# Allegro board 1155000-zp-dic_pda_8ch_board_v002.brd (continued)
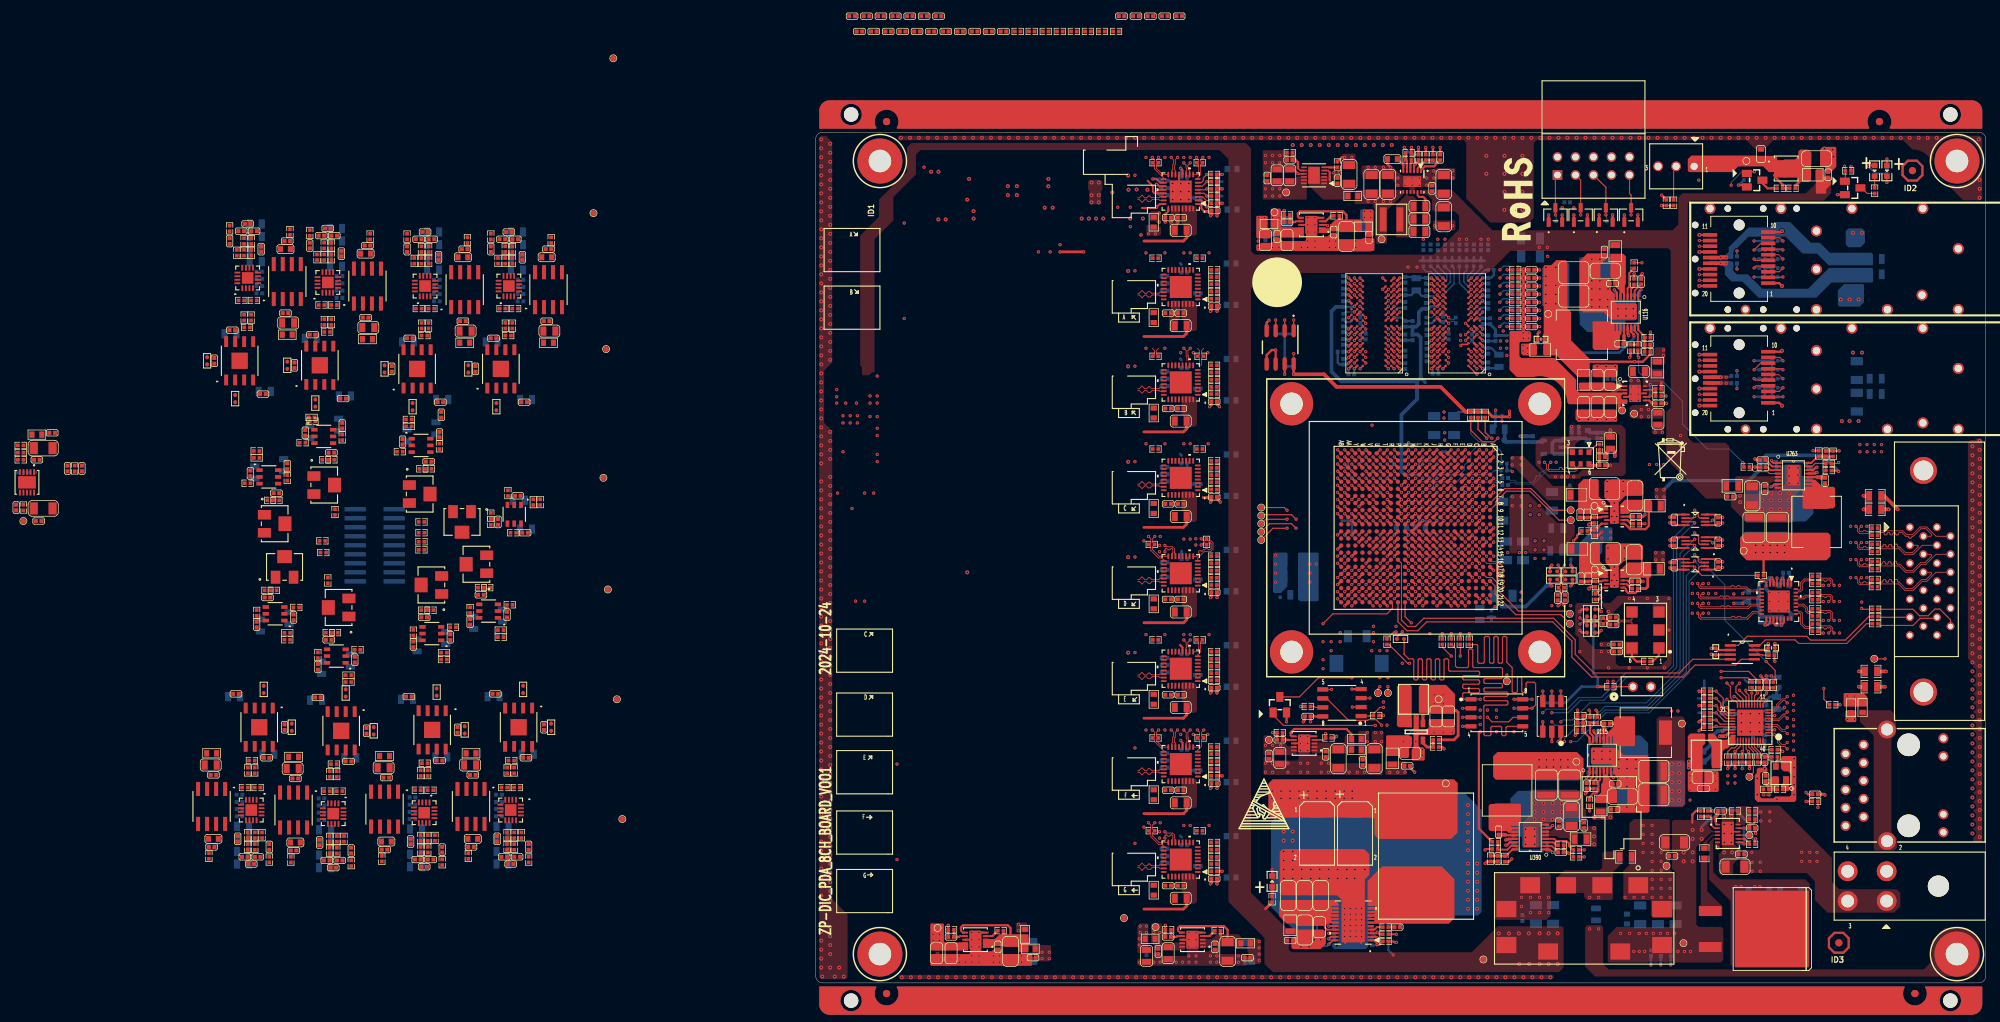
[diagram p0: board, top side]
## Library data of the parts (continued)
R276 R337-R342 R1928 R2154-R2156 R2204-R2209 R2211 R2212 R2229-R2240 R2242 R2244 R2245 R2247 R3016 R3018 R3020 R3022 R3037 R3039 R3041 R3043 R3058 R3060 R3062 R3064 R3079 R3081 R3083 R3085 R3100 R3102 R3104 R3106 R3121 R3123 R3125 R3127 R3142 R3144 R3146 R3148 R3163 R3165 R3167 R3169 R3180 R3216 R3218-R3220 R3223 R3224 R3227 R3228 R3231 R3232 R3235 R3236 R3239 R3240 R3243 R3244 = 1_00K_0
R395 R396 R834 R835 = 261_0
R458 R490 = 100_C402_0
R460-R478 R481 R482 R488 R2140-R2143 = 80_6_0
R479 R480 R483 R484 = 80_6_0: signal model: SR0402-BGA_0
R502 R503 R505 R507 R509 R511 R2213-R2228 R3205 = 15_1: signal model: 15_1_R0402
R517 = 4_7K_0: signal model: SR0603_49.9
R844 R848 R853-R855 R858 R1059 R1060 R1064 R1067 R1070 R1075 R1077 R1078 R1080 R1101 R1115 R1116 R1884 R1886 R2047 R2048 R2184-R2187 R2196-R2199 R2670 R2676 R2684 R2691 R2697 R2705 R2712 R2718 R2726 R2733 R2739 R2747 R2754 R2760 R2768 R2775 R2781 R2789 R2796 R2802 R2810 R2817 R2823 R2831 R2838 R3011 R3014 R3021 R3026 R3035 R3042 R3047 R3056 R3063 R3068 R3077 R3084 R3089 R3098 R3105 R3110 R3119 R3126 R3131 R3140 R3147 R3152 R3161 R3168 R3173 R3189 R3193 R3201 R3207-R3214 = 0_0: signal model: 0_0_R0402_0_0
R984 R1061 R1066 R1069 R1071 R1079 R1197 R1929 R2084-R2087 R2122-R2126 R2253 R2666 R2688 R2709 R2730 R2751 R2772 R2793 R2814 R2835 R3015 R3017 R3019 R3036 R3038 R3040 R3057 R3059 R3061 R3078 R3080 R3082 R3099 R3101 R3103 R3120 R3122 R3124 R3141 R3143 R3145 R3162 R3164 R3166 R3192 R3196 R3198 R3200 R3288 R3289 R3294 R3297 R3298 R3305 R3309 R3313 = 0_0
R2127 R2210 R3012 R3013 R3033 R3034 R3054 R3055 R3075 R3076 R3096 R3097 R3117 R3118 R3138 R3139 R3159 R3160 R3256-R3287 = 100_0
R2517 R3290 R3292 R3295 R3299 R3302 R3306 R3310 = TC42X-2-103E
R2679 R2681 R2690 R2700 R2704 R2711 R2721 R2725 R2732 R2741 R2746 R2753 R2764 R2766 R2774 R2783 R2788 R2795 R2805 R2808 R2816 R2827 R2830 R2837 = 0_0: signal model: 0_0_R0402_33_33
TP20 TP37-TP41 TP43-TP45 TP47-TP49 TP52 TP58 TP62 TP64 TP68 TP69 TP83 TP102-TP105 TP112 TP116 TP133-TP136 TP138 TP146-TP154 TP158 TP159 TP163-TP166 = TEST-POINT_1
U1 = xc7k70tfbg484
U23 = TPS51200DRCT_0
U49 U286 U287 = SN74LVC2T45DCUR
U75 U76 = MT41K512M16TNA-125_2
U79 = TMP75BIDR_1
U93 = RTL8211F_2
U94 = NZ2520SB_2
U102 = W25Q16DVUUIG_4
U103 = SIT5021AI-2DE-33E-100_0.000000X
U111 = QPI-12LZ
U112 = LT4356-1_1
U113 = TPS53353DQPR_5
U115 U116 U263 U390 = LT8610EMSE_3
U118 U119 = TPS7A9201DSKR_3
U124 = TLV62565DBVR_1
U127 U129 U133 U341 U391 = LT3045EDDPBF
U134 = HEAT_SINK_5
U154 = TXS0102DCUR_1
U236 = TPS63710DRRR_2
U270 = SiT9102AI-23FN33E200.00000Y
U271 = DS90LV804TSQNOPB_0
U272 = R1112NXX1B_0
U273 = AT25M01-SHM-B_1
U275-U278 U280-U283 = ADR4520BRZ
U342 U346 U350 U353 U354 U357 U361 U363 = LTC6268IS6-10_0
U343 U347 U348 U351 U356 U358 U362 U365 = ADA4625-1ARDZ
U344 U345 U349 U352 U355 U359 U360 U364 = ADA4945-1
U366 U369 U372 U375 U378 U381 U384 U387 = AD7960BCPZ
U392 = LT3094EDDPBF

## Footprints (pads in the part's own frame, mm; a bottom-side part is the same pattern mirrored in y, then rotated)
25AA512T
  rect 0.61x1.549 smd: 1(-1.861,-2.7) 2(-0.591,-2.7) 3(0.679,-2.7) 4(1.949,-2.7) 5(1.905,2.7) 6(0.635,2.7) 7(-0.635,2.7) 8(-1.905,2.7)
44WR10KLFT7
  rect 1.346x1.829 smd: 1(-1.27,-1.45) 3(1.27,-1.45)
  rect 2.057x1.829 smd: 2(0,1.45)
10226-55G3PC
  round 3.81 hole 2.794: (-15.63,-1.216) (15.63,-1.216)
  round 1.118 hole 0.711: 1(-7.62,-3.126) 2(-6.35,-1.216) 3(-5.08,-3.126) 4(-3.81,-1.216) 5(-2.54,-3.126) 6(-1.27,-1.216) 7(0,-3.126) 8(1.27,-1.216) 9(2.54,-3.126) 10(3.81,-1.216) 11(5.08,-3.126) 12(6.35,-1.216) 13(7.62,-3.126) 14(-7.62,0.694) 15(-6.35,2.605) 16(-5.08,0.694) 17(-3.81,2.605) 18(-2.54,0.694) 19(-1.27,2.605) 20(0,0.694) 21(1.27,2.605) 22(2.54,0.694) 23(3.81,2.605) 24(5.08,0.694) 25(6.35,2.605) 26(7.62,0.694)
0022112032
  rect 1.372x1.372 hole 1.016: 1(-2.54,0)
  round 1.372 hole 1.016: 2(0,0) 3(2.54,0)
0039301040
  round 2.997 hole 2.997 unplated: (0,-3.8)
  round 2.794 hole 1.803: 1(-2.1,3.5) 2(2.1,3.5) 3(-2.1,9) 4(2.1,9)
0744410010_0747370010
  round 0.94 hole 0.94 unplated: (22.799,8.58) (22.799,-5.669) (27.501,8.58) (27.501,-5.669) (32.499,8.58) (32.499,-5.669) (37.099,6.251) (37.099,1.45) (37.099,-3.35)
  round 1.549 hole 1.549 unplated: (30.899,6.251) (30.899,-3.35)
  rect 2.007x0.508 smd: 1(26.8,4.849) 2(26.8,4.049) 3(26.8,3.249) 4(26.8,2.449) 5(26.8,1.649) 6(26.8,0.849) 7(26.8,0.049) 8(26.8,-0.751) 9(26.8,-1.551) 10(26.8,-2.351) 11(35.001,-1.95) 12(35.001,-1.15) 13(35.001,-0.35) 14(35.001,0.45) 15(35.001,1.25) 16(35.001,2.05) 17(35.001,2.85) 18(35.001,3.65) 19(35.001,4.45) 20(35.001,5.25)
  round 1.346 hole 0.838: 21(30,8.58)
  round 1.549 hole 1.041: 22(20,8.58) 23(10,8.58) 24(0,8.58) 25(0,0) 26(5.001,-5.669) 27(15.001,-5.669) 28(25.001,-5.669) 29(35.001,-5.669) 30(20,-2.499) 31(20,2.901) 32(4.99,7.688)
0744410010_0747370010#2
  round 0.94 hole 0.94 unplated: (22.799,8.58) (22.799,-5.669) (27.501,8.58) (27.501,-5.669) (32.499,8.58) (32.499,-5.669) (37.099,6.251) (37.099,1.45) (37.099,-3.35)
  round 1.549 hole 1.549 unplated: (30.899,6.251) (30.899,-3.35)
  rect 2.007x0.508 smd: 1(26.8,4.849) 2(26.8,4.049) 3(26.8,3.249) 4(26.8,2.449) 5(26.8,1.649) 6(26.8,0.849) 7(26.8,0.049) 8(26.8,-0.751) 9(26.8,-1.551) 10(26.8,-2.351) 11(35.001,-1.95) 12(35.001,-1.15) 13(35.001,-0.35) 14(35.001,0.45) 15(35.001,1.25) 16(35.001,2.05) 17(35.001,2.85) 18(35.001,3.65) 19(35.001,4.45) 20(35.001,5.25)
  round 1.346 hole 0.838: 21(30,8.58)
  round 1.549 hole 1.041: 22(20,8.58) 23(10,8.58) 24(0,8.58) 25(0,0) 26(5.001,-5.669) 27(15.001,-5.669) 28(25.001,-5.669) 29(35.001,-5.669) 30(20,-2.499) 31(20,2.901) 32(5.117,6.537)
ADA4625-1ARDZ
  rect 1.506x0.551 smd: 1(-2.703,1.905) 2(-2.703,0.635) 3(-2.703,-0.635) 4(-2.703,-1.905) 5(2.703,-1.905) 6(2.703,-0.635) 7(2.703,0.635) 8(2.703,1.905)
  rect 2.29x2.29 smd: 9(0,0)
ADA4945-1ACPZ
  rect 0.813x0.254 smd: 1(-1.448,0.75) 2(-1.448,0.25) 3(-1.448,-0.25) 4(-1.448,-0.75) 9(1.448,-0.75) 10(1.448,-0.25) 11(1.448,0.25) 12(1.448,0.75)
  rect 0.254x0.813 smd: 5(-0.75,-1.448) 6(-0.25,-1.448) 7(0.25,-1.448) 8(0.75,-1.448) 13(0.75,1.448) 14(0.25,1.448) 15(-0.25,1.448) 16(-0.75,1.448)
  rect 1.626x1.626 smd: 17(0,0)
ADP150AUJZ
  rect 0.953x0.508 smd: 1(-1.276,0.95) 2(-1.276,0) 3(-1.276,-0.95) 4(1.276,-0.95) 5(1.276,0.95)
ADR4525BRZ
  rect 1.981x0.559 smd: 1(-2.464,1.905) 2(-2.464,0.635) 3(-2.464,-0.635) 4(-2.464,-1.905) 5(2.464,-1.905) 6(2.464,-0.635) 7(2.464,0.635) 8(2.464,1.905)
ATS-08D-51-C2-R0
  round 6.096 hole 3.175: 1(-17.5,17.5) 2(17.5,17.5) 3(17.5,-17.5) 4(-17.5,-17.5)
C0402
  rect 0.559x0.559 smd: 1(-0.4,0) 2(0.4,0)
C0402_BGA
  custom 0.559x0.508 smd: 1(-0.47,0) 2(0.47,0)
C0603
  rect 0.711x0.838 smd: 1(-0.7,0) 2(0.7,0)
C0805
  rect 0.838x1.295 smd: 1(-0.85,0) 2(0.85,0)
C1206
  rect 1.143x1.702 smd: 1(-1.325,0) 2(1.325,0)
C1210
  rect 0.94x2.591 smd: 1(-1.4,0) 2(1.4,0)
C2917X
  rect 2.388x1.93 smd: 1(0,-3.193) 2(0,3.193)
CON_2
  round 1.397 hole 0.889: 1(-1.27,0) 2(1.27,0)
CP_32_7_ADI
  oval 0.813x0.254 smd: 1(-2.4,1.75) 8(-2.4,-1.75) 17(2.4,-1.75) 24(2.4,1.75)
  rect 0.813x0.254 smd: 2(-2.4,1.25) 3(-2.4,0.75) 4(-2.4,0.25) 5(-2.4,-0.25) 6(-2.4,-0.75) 7(-2.4,-1.25) 18(2.4,-1.25) 19(2.4,-0.75) 20(2.4,-0.25) 21(2.4,0.25) 22(2.4,0.75) 23(2.4,1.25)
  oval 0.254x0.813 smd: 9(-1.75,-2.4) 16(1.75,-2.4) 25(1.75,2.4) 32(-1.75,2.4)
  rect 0.254x0.813 smd: 10(-1.25,-2.4) 11(-0.75,-2.4) 12(-0.25,-2.4) 13(0.25,-2.4) 14(0.75,-2.4) 15(1.25,-2.4) 26(1.25,2.4) 27(0.75,2.4) 28(0.25,2.4) 29(-0.25,2.4) 30(-0.75,2.4) 31(-1.25,2.4)
  rect 3.099x3.099 smd: 33(0,0)
CSD25402
  rect 0.61x0.305 smd: 1(-1.549,0.975) 2(-1.549,0.325) 3(-1.549,-0.325) 4(-1.549,-0.975)
  custom 2.388x2.438 smd: 5(-0.533,-0.051)
DS90LV804TSQ
  rect 0.61x0.254 smd: 1(-2.4,1.75) 2(-2.4,1.25) 3(-2.4,0.75) 4(-2.4,0.25) 5(-2.4,-0.25) 6(-2.4,-0.75) 7(-2.4,-1.25) 8(-2.4,-1.75) 17(2.4,-1.75) 18(2.4,-1.25) 19(2.4,-0.75) 20(2.4,-0.25) 21(2.4,0.25) 22(2.4,0.75) 23(2.4,1.25) 24(2.4,1.75)
  rect 0.254x0.61 smd: 9(-1.75,-2.4) 10(-1.25,-2.4) 11(-0.75,-2.4) 12(-0.25,-2.4) 13(0.25,-2.4) 14(0.75,-2.4) 15(1.25,-2.4) 16(1.75,-2.4) 25(1.75,2.4) 26(1.25,2.4) 27(0.75,2.4) 28(0.25,2.4) 29(-0.25,2.4) 30(-0.75,2.4) 31(-1.25,2.4) 32(-1.75,2.4)
  rect 3.099x3.099 smd: 33(0,0)
ECS-2520MV
  rect 0.914x0.813 smd: 1(0.925,0.725) 2(-0.925,0.725) 3(-0.925,-0.725) 4(0.925,-0.725)
IHLP_2525CZ_01
  rect 1.829x3.429 smd: 1(-2.77,0) 2(2.77,0)
KRJ-320DNL_14P
  round 3.2 hole 3.2 unplated: (-5.715,0) (5.715,0)
  round 1.4 hole 0.9: 1(-5.715,8.89) 2(-4.445,6.35) 3(-3.175,8.89) 4(-1.905,6.35) 5(-0.635,8.89) 6(0.635,6.35) 7(1.905,8.89) 8(3.175,6.35) 9(4.445,8.89) 10(5.715,6.35) 11(-6.63,-4.9) 12(-4.09,-4.9) 13(4.09,-4.9) 14(6.63,-4.9)
  round 2.5 hole 1.7: 17(7.875,3.05) 18(-7.875,3.05)
L0402
  rect 0.508x0.508 smd: 1(-0.4,0) 2(0.4,0)
L0603
  rect 0.711x0.889 smd: 1(-0.7,0) 2(0.7,0)
L0805
  rect 0.813x1.346 smd: 1(-0.85,0) 2(0.85,0)
LED_0603
  rect 0.76x0.8 smd: 1(-0.759,0) 2(0.759,0)
LT3045EDD
  rect 0.813x0.254 smd: 1(-1.448,1) 2(-1.448,0.5) 3(-1.448,0) 4(-1.448,-0.5) 5(-1.448,-1) 6(1.448,-1) 7(1.448,-0.5) 8(1.448,0) 9(1.448,0.5) 10(1.448,1)
  rect 1.727x2.489 smd: 11(0,0)
LT3094EDD
  rect 0.813x0.229 smd: 1(-1.422,1.125) 2(-1.422,0.675) 3(-1.422,0.225) 4(-1.422,-0.225) 5(-1.422,-0.675) 6(-1.422,-1.125) 7(1.422,-1.125) 8(1.422,-0.675) 9(1.422,-0.225) 10(1.422,0.225) 11(1.422,0.675) 12(1.422,1.125)
  rect 1.651x2.388 smd: 13(0,0)
LT4356HDE-1
  rect 0.711x0.203 smd: 1(-1.449,1.25) 2(-1.449,0.75) 3(-1.449,0.25) 4(-1.449,-0.25) 5(-1.449,-0.75) 6(-1.449,-1.25) 7(1.449,-1.25) 8(1.449,-0.75) 9(1.449,-0.25) 10(1.449,0.25) 11(1.449,0.75) 12(1.449,1.25)
  rect 1.702x3.302 smd: 13(0,0)
LT8610AC
  rect 0.305x0.991 smd: 1(-1.75,-2.17)
  oval 0.305x0.991 smd: 2(-1.25,-2.17) 3(-0.75,-2.17) 4(-0.25,-2.17) 5(0.25,-2.17) 6(0.75,-2.17) 7(1.25,-2.17) 8(1.75,-2.17) 9(1.75,2.17) 10(1.25,2.17) 11(0.75,2.17) 12(0.25,2.17) 13(-0.25,2.17) 14(-0.75,2.17) 15(-1.25,2.17) 16(-1.75,2.17)
  rect 2.845x1.65 smd: 17(0,0)
LTC6268IS6-10
  rect 0.876x0.508 smd: 1(-1.314,0.95) 2(-1.314,0) 3(-1.314,-0.95) 4(1.314,-0.95) 5(1.314,0) 6(1.314,0.95)
MH_250H125
  round 6.35 hole 3.175: 1(0,0)
MT41K512M16VRP
  round 0.351 smd: A1(-3.2,5.999) A2(-2.4,5.999) A3(-1.6,5.999) A7(1.6,5.999) A8(2.4,5.999) A9(3.2,5.999) B1(-3.2,5.199) B2(-2.4,5.199) B3(-1.6,5.199) B7(1.6,5.199) B8(2.4,5.199) B9(3.2,5.199) C1(-3.2,4.399) C2(-2.4,4.399) C3(-1.6,4.399) C7(1.6,4.399) C8(2.4,4.399) C9(3.2,4.399) D1(-3.2,3.599) D2(-2.4,3.599) D3(-1.6,3.599) D7(1.6,3.599) D8(2.4,3.599) D9(3.2,3.599) E1(-3.2,2.799) E2(-2.4,2.799) E3(-1.6,2.799) E7(1.6,2.799) E8(2.4,2.799) E9(3.2,2.799) F1(-3.2,1.999) F2(-2.4,1.999) F3(-1.6,1.999) F7(1.6,1.999) F8(2.4,1.999) F9(3.2,1.999) G1(-3.2,1.199) G2(-2.4,1.199) G3(-1.6,1.199) G7(1.6,1.199) G8(2.4,1.199) G9(3.2,1.199) H1(-3.2,0.399) H2(-2.4,0.399) H3(-1.6,0.399) H7(1.6,0.399) H8(2.4,0.399) H9(3.2,0.399) J1(-3.2,-0.399) J2(-2.4,-0.399) J3(-1.6,-0.399) J7(1.6,-0.399) J8(2.4,-0.399) J9(3.2,-0.399) K1(-3.2,-1.199) K2(-2.4,-1.199) K3(-1.6,-1.199) K7(1.6,-1.199) K8(2.4,-1.199) K9(3.2,-1.199) L1(-3.2,-1.999) L2(-2.4,-1.999) L3(-1.6,-1.999) L7(1.6,-1.999) L8(2.4,-1.999) L9(3.2,-1.999) M1(-3.2,-2.799) M2(-2.4,-2.799) M3(-1.6,-2.799) M7(1.6,-2.799) M8(2.4,-2.799) M9(3.2,-2.799) N1(-3.2,-3.599) N2(-2.4,-3.599) N3(-1.6,-3.599) N7(1.6,-3.599) N8(2.4,-3.599) N9(3.2,-3.599) P1(-3.2,-4.399) P2(-2.4,-4.399) P3(-1.6,-4.399) P7(1.6,-4.399) P8(2.4,-4.399) P9(3.2,-4.399) R1(-3.2,-5.199) R2(-2.4,-5.199) R3(-1.6,-5.199) R7(1.6,-5.199) R8(2.4,-5.199) R9(3.2,-5.199) T1(-3.2,-5.999) T2(-2.4,-5.999) T3(-1.6,-5.999) T7(1.6,-5.999) T8(2.4,-5.999) T9(3.2,-5.999)
NDS331N
  rect 1.016x1.397 smd: 1(-0.95,-1.1) 2(0.95,-1.1) 3(0,1.1)
NRS4018T2R2MDGJ
  rect 1.2x3.7 smd: 1(-1.4,0) 2(1.4,0)
PA0513_441NLT
  rect 3.175x7.62 smd: 1(-6.195,0) 2(5.995,0)
PSMN1R1
  rect 10.795x10.414 smd: D(0,1.016)
  rect 1.4x3.2 smd: G(-2.54,-7.684) S(2.54,-7.684)
QPI-12LZ
  rect 2.794x2.286 smd: 1(-7.62,-4.674) 2(-2.54,-4.674) 3(2.54,-4.674) 4(7.62,-4.674) 5(10.973,-1.321) 6(10.973,3.759) 7(5.08,4.674) 8(-5.08,4.674) 9(-10.973,3.759) 10(-10.973,-1.321)
R0402
  rect 0.508x0.508 smd: 1(-0.4,0) 2(0.4,0)
R0402_BGA
  custom 0.559x0.508 smd: 1(-0.508,0) 2(0.508,0)
R0603
  rect 0.711x0.889 smd: 1(-0.7,0) 2(0.7,0)
R0805
  rect 0.813x1.346 smd: 1(-0.85,0) 2(0.85,0)
R1206
  rect 0.838x1.702 smd: 1(-1.45,0) 2(1.45,0)
RTL8211FI-CG
  rect 0.7x0.2 smd: 1(-2.45,1.8) 2(-2.45,1.4) 3(-2.45,1) 4(-2.45,0.6) 5(-2.45,0.2) 6(-2.45,-0.2) 7(-2.45,-0.6) 8(-2.45,-1) 9(-2.45,-1.4) 10(-2.45,-1.8) 21(2.45,-1.8) 22(2.45,-1.4) 23(2.45,-1) 24(2.45,-0.6) 25(2.45,-0.2) 26(2.45,0.2) 27(2.45,0.6) 28(2.45,1) 29(2.45,1.4) 30(2.45,1.8)
  rect 0.2x0.7 smd: 11(-1.8,-2.45) 12(-1.4,-2.45) 13(-1,-2.45) 14(-0.6,-2.45) 15(-0.2,-2.45) 16(0.2,-2.45) 17(0.6,-2.45) 18(1,-2.45) 19(1.4,-2.45) 20(1.8,-2.45) 31(1.8,2.45) 32(1.4,2.45) 33(1,2.45) 34(0.6,2.45) 35(0.2,2.45) 36(-0.2,2.45) 37(-0.6,2.45) 38(-1,2.45) 39(-1.4,2.45) 40(-1.8,2.45)
  rect 3.7x3.7 smd: 41(0,0)
S8558
  rect 0.61x2.997 smd: 1(-5.08,-2.75) 2(-3.81,-2.75) 3(-2.54,-2.75) 4(-1.27,-2.75) 5(0,-2.75) 6(1.27,-2.75) 7(2.54,-2.75) 8(3.81,-2.75) 9(5.08,-2.75) 10(5.08,2.75) 11(3.81,2.75) 12(2.54,2.75) 13(1.27,2.75) 14(0,2.75) 15(-1.27,2.75) 16(-2.54,2.75) 17(-3.81,2.75) 18(-5.08,2.75)
SBH11-PBPC-D05-ST-BK
  rect 1.346x1.346 hole 0.94: 1(-5.08,-1.27)
  round 1.346 hole 0.94: 2(-5.08,1.27) 3(-2.54,-1.27) 4(-2.54,1.27) 5(0,-1.27) 6(0,1.27) 7(2.54,-1.27) 8(2.54,1.27) 9(5.08,-1.27) 10(5.08,1.27)
SIT5021
  rect 1.6x1.6 smd: 1(-2.54,-1.9) 2(0,-1.9) 3(2.54,-1.9) 4(2.54,1.9) 5(0,1.9) 6(-2.54,1.9)
SMD-3225
  rect 0.711x0.762 smd: 1(-1.175,-0.825) 3(1.175,-0.825) 4(1.175,0.825) 6(-1.175,0.825)
  rect 0.559x0.762 smd: 2(0,-0.825) 5(0,0.825)
SN74LVC2T45_VSSOP8
  rect 1.168x0.254 smd: 1(-1.372,0.75) 2(-1.372,0.25) 3(-1.372,-0.25) 4(-1.372,-0.75) 5(1.372,-0.75) 6(1.372,-0.25) 7(1.372,0.25) 8(1.372,0.75)
SOT-23
  rect 0.559x1.321 smd: 1(-0.953,-1.016) 2(0.953,-1.016) 3(0,1.016)
THS103J
  rect 0.76x1.7 smd: 1(-1.27,2.15) 2(0,2.15) 3(1.27,2.15) 4(1.27,-2.15) 5(0,-2.15) 6(-1.27,-2.15)
TLV62565DBVR
  rect 1.1x0.65 smd: 1(-1.2,0.95) 2(-1.2,0) 3(-1.2,-0.95) 4(1.2,-0.95) 5(1.2,0.95)
TMP75BID
  oval 1.9x0.6 smd: 1(-2.35,1.905) 2(-2.35,0.635) 3(-2.35,-0.635) 4(-2.35,-1.905) 5(2.35,-1.905) 6(2.35,-0.635) 7(2.35,0.635) 8(2.35,1.905)
TP0_8
  round 0.822 smd: 1(0,0)
TPS7A9201DSKR
  rect 0.6x0.25 smd: 1(-1.15,1) 2(-1.15,0.5) 3(-1.15,0) 4(-1.15,-0.5) 5(-1.15,-1) 6(1.15,-1) 7(1.15,-0.5) 8(1.15,0) 9(1.15,0.5) 10(1.15,1)
  rect 1.2x2 smd: 11(0,0)
TPS51200DRC
  rect 0.6x0.24 smd: 1(-1.4,1) 2(-1.4,0.5) 3(-1.4,0) 4(-1.4,-0.5) 5(-1.4,-1) 6(1.4,-1) 7(1.4,-0.5) 8(1.4,0) 9(1.4,0.5) 10(1.4,1)
  rect 1.65x2.4 smd: 11(0,0)
TPS53353DQP
  rect 0.85x0.28 smd: 1(-2.475,2.5) 2(-2.475,2) 3(-2.475,1.5) 4(-2.475,1) 5(-2.475,0.5) 6(-2.475,0) 7(-2.475,-0.5) 8(-2.475,-1) 9(-2.475,-1.5) 10(-2.475,-2) 11(-2.475,-2.5) 12(2.475,-2.5) 13(2.475,-2) 14(2.475,-1.5) 15(2.475,-1) 16(2.475,-0.5) 17(2.475,0) 18(2.475,0.5) 19(2.475,1) 20(2.475,1.5) 21(2.475,2) 22(2.475,2.5)
  rect 3.24x5.479 smd: 23(0,0)
TPS63710DRRR
  rect 0.5x0.25 smd: 1(-1.45,1.25) 2(-1.45,0.75) 3(-1.45,0.25) 4(-1.45,-0.25) 5(-1.45,-0.75) 6(-1.45,-1.25) 7(1.45,-1.25) 8(1.45,-0.75) 9(1.45,-0.25) 10(1.45,0.25) 11(1.45,0.75) 12(1.45,1.25)
  rect 1.5x2.5 smd: 13(0,0)
TXS0102DCT
  rect 1.562x0.356 smd: 1(-1.695,0.975) 2(-1.695,0.325) 3(-1.695,-0.325) 4(-1.695,-0.975) 5(1.695,-0.975) 6(1.695,-0.325) 7(1.695,0.325) 8(1.695,0.975)
unnamed#2
  round 1.016 smd: (-15,1.5) (-15,1.5)
  round 2.032 hole 2.032 unplated: (-5,2.5)
unnamed#3
  round 1.016 smd: 1(0,0)
unnamed#4
  round 2.032 hole 2.032 unplated: (5,-2.5)
  round 1.016 smd: (10,-1.5) (10,-1.5)
unnamed#5
  round 2.032 hole 2.032 unplated: (5,2.5)
  round 1.016 smd: (10,1.5) (10,1.5)
unnamed#6
  round 1.016 smd: (-10,-1.5) (-10,-1.5)
  round 2.032 hole 2.032 unplated: (-5,-2.5)
W25Q128JWSIQ
  rect 0.61x1.549 smd: 1(-1.905,-3.65) 2(-0.635,-3.65) 3(0.635,-3.65) 4(1.905,-3.65) 5(1.905,3.65) 6(0.635,3.65) 7(-0.635,3.65) 8(-1.905,3.65)
XC7K70T2FBG484I
  round 0.61 smd: A1(-10.5,10.5) A2(-9.5,10.5) A3(-8.5,10.5) A4(-7.5,10.5) A5(-6.5,10.5) A6(-5.5,10.5) A7(-4.5,10.5) A8(-3.5,10.5) A9(-2.5,10.5) A10(-1.5,10.5) A11(-0.5,10.5) A12(0.5,10.5) A13(1.5,10.5) A14(2.5,10.5) A15(3.5,10.5) A16(4.5,10.5) A17(5.5,10.5) A18(6.5,10.5) A19(7.5,10.5) A20(8.5,10.5) A21(9.5,10.5) A22(10.5,10.5) AA1(-10.5,-9.5) AA2(-9.5,-9.5) AA3(-8.5,-9.5) AA4(-7.5,-9.5) AA5(-6.5,-9.5) AA6(-5.5,-9.5) AA7(-4.5,-9.5) AA8(-3.5,-9.5) AA9(-2.5,-9.5) AA10(-1.5,-9.5) AA11(-0.5,-9.5) AA12(0.5,-9.5) AA13(1.5,-9.5) AA14(2.5,-9.5) AA15(3.5,-9.5) AA16(4.5,-9.5) AA17(5.5,-9.5) AA18(6.5,-9.5) AA19(7.5,-9.5) AA20(8.5,-9.5) AA21(9.5,-9.5) AA22(10.5,-9.5) AB1(-10.5,-10.5) AB2(-9.5,-10.5) AB3(-8.5,-10.5) AB4(-7.5,-10.5) AB5(-6.5,-10.5) AB6(-5.5,-10.5) AB7(-4.5,-10.5) AB8(-3.5,-10.5) AB9(-2.5,-10.5) AB10(-1.5,-10.5) AB11(-0.5,-10.5) AB12(0.5,-10.5) AB13(1.5,-10.5) AB14(2.5,-10.5) AB15(3.5,-10.5) AB16(4.5,-10.5) AB17(5.5,-10.5) AB18(6.5,-10.5) AB19(7.5,-10.5) AB20(8.5,-10.5) AB21(9.5,-10.5) AB22(10.5,-10.5) B1(-10.5,9.5) B2(-9.5,9.5) B3(-8.5,9.5) B4(-7.5,9.5) B5(-6.5,9.5) B6(-5.5,9.5) B7(-4.5,9.5) B8(-3.5,9.5) B9(-2.5,9.5) B10(-1.5,9.5) B11(-0.5,9.5) B12(0.5,9.5) B13(1.5,9.5) B14(2.5,9.5) B15(3.5,9.5) B16(4.5,9.5) B17(5.5,9.5) B18(6.5,9.5) B19(7.5,9.5) B20(8.5,9.5) B21(9.5,9.5) B22(10.5,9.5) C1(-10.5,8.5) C2(-9.5,8.5) C3(-8.5,8.5) C4(-7.5,8.5) C5(-6.5,8.5) C6(-5.5,8.5) C7(-4.5,8.5) C8(-3.5,8.5) C9(-2.5,8.5) C10(-1.5,8.5) C11(-0.5,8.5) C12(0.5,8.5) C13(1.5,8.5) C14(2.5,8.5) C15(3.5,8.5) C16(4.5,8.5) C17(5.5,8.5) C18(6.5,8.5) C19(7.5,8.5) C20(8.5,8.5) C21(9.5,8.5) C22(10.5,8.5) D1(-10.5,7.5) D2(-9.5,7.5) D3(-8.5,7.5) D4(-7.5,7.5) D5(-6.5,7.5) D6(-5.5,7.5) D7(-4.5,7.5) D8(-3.5,7.5) D9(-2.5,7.5) D10(-1.5,7.5) D11(-0.5,7.5) D12(0.5,7.5) D13(1.5,7.5) D14(2.5,7.5) D15(3.5,7.5) D16(4.5,7.5) D17(5.5,7.5) D18(6.5,7.5) D19(7.5,7.5) D20(8.5,7.5) D21(9.5,7.5) D22(10.5,7.5) E1(-10.5,6.5) E2(-9.5,6.5) E3(-8.5,6.5) E4(-7.5,6.5) E5(-6.5,6.5) E6(-5.5,6.5) E7(-4.5,6.5) E8(-3.5,6.5) E9(-2.5,6.5) E10(-1.5,6.5) E11(-0.5,6.5) E12(0.5,6.5) E13(1.5,6.5) E14(2.5,6.5) E15(3.5,6.5) E16(4.5,6.5) E17(5.5,6.5) E18(6.5,6.5) E19(7.5,6.5) E20(8.5,6.5) E21(9.5,6.5) E22(10.5,6.5) F1(-10.5,5.5) F2(-9.5,5.5) F3(-8.5,5.5) F4(-7.5,5.5) F5(-6.5,5.5) F6(-5.5,5.5) F7(-4.5,5.5) F8(-3.5,5.5) F9(-2.5,5.5) F10(-1.5,5.5) F11(-0.5,5.5) F12(0.5,5.5) F13(1.5,5.5) F14(2.5,5.5) F15(3.5,5.5) F16(4.5,5.5) F17(5.5,5.5) F18(6.5,5.5) F19(7.5,5.5) F20(8.5,5.5) F21(9.5,5.5) F22(10.5,5.5) G1(-10.5,4.5) G2(-9.5,4.5) G3(-8.5,4.5) G4(-7.5,4.5) G5(-6.5,4.5) G6(-5.5,4.5) G7(-4.5,4.5) G8(-3.5,4.5) G9(-2.5,4.5) G10(-1.5,4.5) G11(-0.5,4.5) G12(0.5,4.5) G13(1.5,4.5) G14(2.5,4.5) G15(3.5,4.5) G16(4.5,4.5) G17(5.5,4.5) G18(6.5,4.5) G19(7.5,4.5) G20(8.5,4.5) G21(9.5,4.5) G22(10.5,4.5) H1(-10.5,3.5) H2(-9.5,3.5) H3(-8.5,3.5) H4(-7.5,3.5) H5(-6.5,3.5) H6(-5.5,3.5) H7(-4.5,3.5) H8(-3.5,3.5) H9(-2.5,3.5) H10(-1.5,3.5) H11(-0.5,3.5) H12(0.5,3.5) H13(1.5,3.5) H14(2.5,3.5) H15(3.5,3.5) H16(4.5,3.5) H17(5.5,3.5) H18(6.5,3.5) H19(7.5,3.5) H20(8.5,3.5) H21(9.5,3.5) H22(10.5,3.5) J1(-10.5,2.5) J2(-9.5,2.5) J3(-8.5,2.5) J4(-7.5,2.5) J5(-6.5,2.5) J6(-5.5,2.5) J7(-4.5,2.5) J8(-3.5,2.5) J9(-2.5,2.5) J10(-1.5,2.5) J11(-0.5,2.5) J12(0.5,2.5) J13(1.5,2.5) J14(2.5,2.5) J15(3.5,2.5) J16(4.5,2.5) J17(5.5,2.5) J18(6.5,2.5) J19(7.5,2.5) J20(8.5,2.5) J21(9.5,2.5) J22(10.5,2.5) K1(-10.5,1.5) K2(-9.5,1.5) K3(-8.5,1.5) K4(-7.5,1.5) K5(-6.5,1.5) K6(-5.5,1.5) K7(-4.5,1.5) K8(-3.5,1.5) K9(-2.5,1.5) K10(-1.5,1.5) K11(-0.5,1.5) K12(0.5,1.5) K13(1.5,1.5) K14(2.5,1.5) K15(3.5,1.5) K16(4.5,1.5) K17(5.5,1.5) K18(6.5,1.5) K19(7.5,1.5) K20(8.5,1.5) K21(9.5,1.5) K22(10.5,1.5) L1(-10.5,0.5) L2(-9.5,0.5) L3(-8.5,0.5) L4(-7.5,0.5) L5(-6.5,0.5) L6(-5.5,0.5) L7(-4.5,0.5) L8(-3.5,0.5) L9(-2.5,0.5) L10(-1.5,0.5) L11(-0.5,0.5) L12(0.5,0.5) L13(1.5,0.5) L14(2.5,0.5) L15(3.5,0.5) L16(4.5,0.5) L17(5.5,0.5) L18(6.5,0.5) L19(7.5,0.5) L20(8.5,0.5) L21(9.5,0.5) L22(10.5,0.5) M1(-10.5,-0.5) M2(-9.5,-0.5) M3(-8.5,-0.5) M4(-7.5,-0.5) M5(-6.5,-0.5) M6(-5.5,-0.5) M7(-4.5,-0.5) M8(-3.5,-0.5) M9(-2.5,-0.5) M10(-1.5,-0.5) M11(-0.5,-0.5) M12(0.5,-0.5) M13(1.5,-0.5) M14(2.5,-0.5) M15(3.5,-0.5) M16(4.5,-0.5) M17(5.5,-0.5) M18(6.5,-0.5) M19(7.5,-0.5) M20(8.5,-0.5) M21(9.5,-0.5) M22(10.5,-0.5) N1(-10.5,-1.5) N2(-9.5,-1.5) N3(-8.5,-1.5) N4(-7.5,-1.5) N5(-6.5,-1.5) N6(-5.5,-1.5) N7(-4.5,-1.5) N8(-3.5,-1.5) N9(-2.5,-1.5) N10(-1.5,-1.5) N11(-0.5,-1.5) N12(0.5,-1.5) N13(1.5,-1.5) N14(2.5,-1.5) N15(3.5,-1.5) N16(4.5,-1.5) N17(5.5,-1.5) N18(6.5,-1.5) N19(7.5,-1.5) N20(8.5,-1.5) N21(9.5,-1.5) N22(10.5,-1.5) P1(-10.5,-2.5) P2(-9.5,-2.5) P3(-8.5,-2.5) P4(-7.5,-2.5) P5(-6.5,-2.5) P6(-5.5,-2.5) P7(-4.5,-2.5) P8(-3.5,-2.5) P9(-2.5,-2.5) P10(-1.5,-2.5) P11(-0.5,-2.5) P12(0.5,-2.5) P13(1.5,-2.5) P14(2.5,-2.5) P15(3.5,-2.5) P16(4.5,-2.5) P17(5.5,-2.5) P18(6.5,-2.5) P19(7.5,-2.5) P20(8.5,-2.5) P21(9.5,-2.5) P22(10.5,-2.5) R1(-10.5,-3.5) R2(-9.5,-3.5) R3(-8.5,-3.5) R4(-7.5,-3.5) R5(-6.5,-3.5) R6(-5.5,-3.5) R7(-4.5,-3.5) R8(-3.5,-3.5) R9(-2.5,-3.5) R10(-1.5,-3.5) R11(-0.5,-3.5) R12(0.5,-3.5) R13(1.5,-3.5) R14(2.5,-3.5) R15(3.5,-3.5) R16(4.5,-3.5) R17(5.5,-3.5) R18(6.5,-3.5) R19(7.5,-3.5) R20(8.5,-3.5) R21(9.5,-3.5) R22(10.5,-3.5) T1(-10.5,-4.5) T2(-9.5,-4.5) T3(-8.5,-4.5) T4(-7.5,-4.5) T5(-6.5,-4.5) T6(-5.5,-4.5) T7(-4.5,-4.5) T8(-3.5,-4.5) T9(-2.5,-4.5) T10(-1.5,-4.5) T11(-0.5,-4.5) T12(0.5,-4.5) T13(1.5,-4.5) T14(2.5,-4.5) T15(3.5,-4.5) T16(4.5,-4.5) T17(5.5,-4.5) T18(6.5,-4.5) T19(7.5,-4.5) T20(8.5,-4.5) T21(9.5,-4.5) T22(10.5,-4.5) U1(-10.5,-5.5) U2(-9.5,-5.5) U3(-8.5,-5.5) U4(-7.5,-5.5) U5(-6.5,-5.5) U6(-5.5,-5.5) U7(-4.5,-5.5) U8(-3.5,-5.5) U9(-2.5,-5.5) U10(-1.5,-5.5) U11(-0.5,-5.5) U12(0.5,-5.5) U13(1.5,-5.5) U14(2.5,-5.5) U15(3.5,-5.5) U16(4.5,-5.5) U17(5.5,-5.5) U18(6.5,-5.5) U19(7.5,-5.5) U20(8.5,-5.5) U21(9.5,-5.5) U22(10.5,-5.5) V1(-10.5,-6.5) V2(-9.5,-6.5) V3(-8.5,-6.5) V4(-7.5,-6.5) V5(-6.5,-6.5) V6(-5.5,-6.5) V7(-4.5,-6.5) V8(-3.5,-6.5) V9(-2.5,-6.5) V10(-1.5,-6.5) V11(-0.5,-6.5) V12(0.5,-6.5) V13(1.5,-6.5) V14(2.5,-6.5) V15(3.5,-6.5) V16(4.5,-6.5) V17(5.5,-6.5) V18(6.5,-6.5) V19(7.5,-6.5) V20(8.5,-6.5) V21(9.5,-6.5) V22(10.5,-6.5) W1(-10.5,-7.5) W2(-9.5,-7.5) W3(-8.5,-7.5) W4(-7.5,-7.5) W5(-6.5,-7.5) W6(-5.5,-7.5) W7(-4.5,-7.5) W8(-3.5,-7.5) W9(-2.5,-7.5) W10(-1.5,-7.5) W11(-0.5,-7.5) W12(0.5,-7.5) W13(1.5,-7.5) W14(2.5,-7.5) W15(3.5,-7.5) W16(4.5,-7.5) W17(5.5,-7.5) W18(6.5,-7.5) W19(7.5,-7.5) W20(8.5,-7.5) W21(9.5,-7.5) W22(10.5,-7.5) Y1(-10.5,-8.5) Y2(-9.5,-8.5) Y3(-8.5,-8.5) Y4(-7.5,-8.5) Y5(-6.5,-8.5) Y6(-5.5,-8.5) Y7(-4.5,-8.5) Y8(-3.5,-8.5) Y9(-2.5,-8.5) Y10(-1.5,-8.5) Y11(-0.5,-8.5) Y12(0.5,-8.5) Y13(1.5,-8.5) Y14(2.5,-8.5) Y15(3.5,-8.5) Y16(4.5,-8.5) Y17(5.5,-8.5) Y18(6.5,-8.5) Y19(7.5,-8.5) Y20(8.5,-8.5) Y21(9.5,-8.5) Y22(10.5,-8.5)
XFL4020-472ME
  rect 0.98x3.4 smd: 1(-1.185,0) 2(1.185,0)

## Nets
